# Altium PCB RTU_LMG_PCB2.PcbDoc (continued)
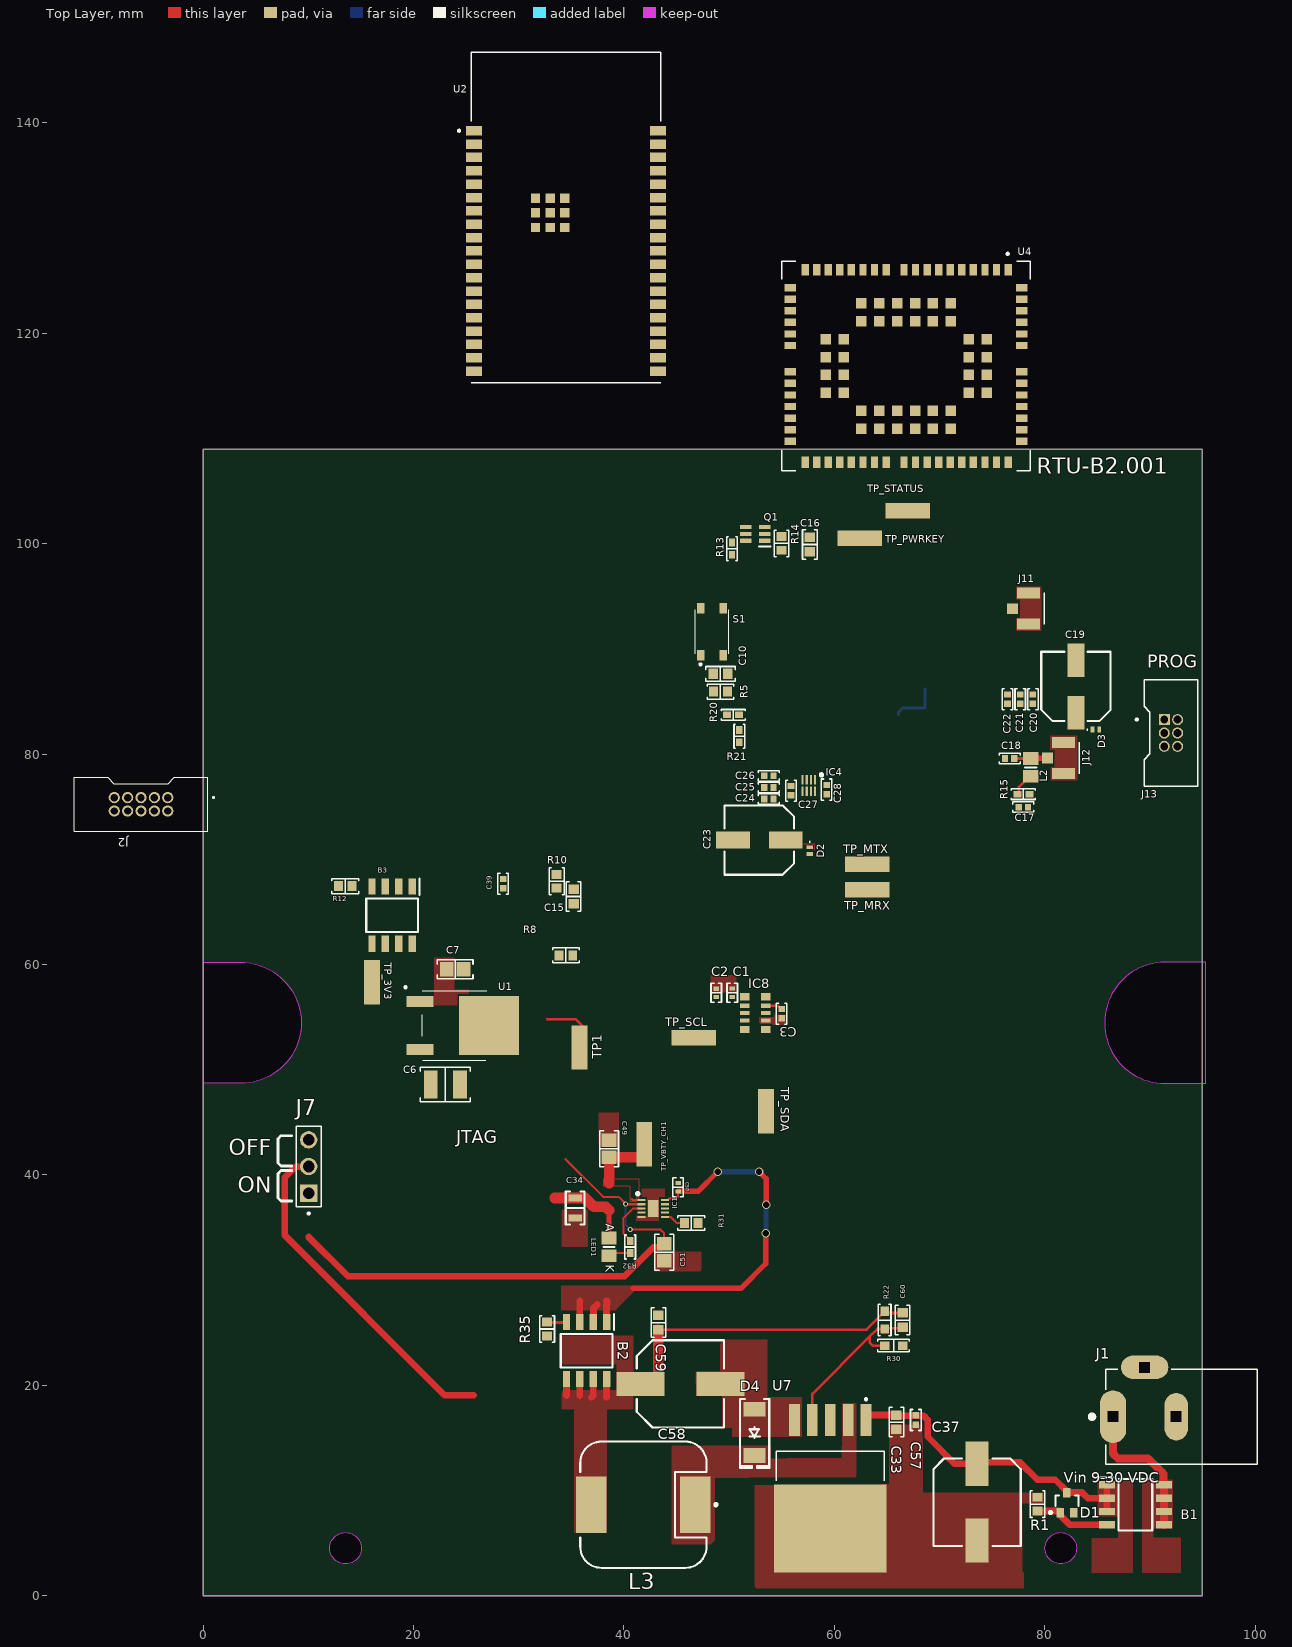
[diagram p0: Top Layer view]
## Part data (continued)
IC4: "Conversor de nivel lógico bidireccional 1.8-3.3 V", Manufacturer_Name="Texas Instruments", Mouser Part Number=595-TXS0102DQMR, Arrow Part Number=TXS0102DQMR, Arrow Price/Stock=https://www.arrow.com/en/products/txs0102dqmr/texas-instruments?region=nac, Datasheet Link=http://www.ti.com/lit/gpn/txs0102, Height=0.4mm, Manufacturer_Part_Number=TXS0102DQMR, Mouser Price/Stock=https://www.mouser.co.uk/ProductDetail/Texas-Instruments/TXS0102DQMR?qs=l3GMcByk76LwJNFmr1RbWA%3D%3D
IC8: "IC RTC CLK/CALENDAR I2C 10SMD", Manufacturer_Name="Epson Timing", Arrow Part Number=RX8130CE, Arrow Price/Stock=https://www.arrow.com/en/products/rx8130ce/epson-electronics-america, Datasheet Link=https://www.mouser.in/Search/DownloadDatasheet?url=https%3A%2F%2Fwww.mouser.in%2Fdatasheet%2F2%2F137%2FRX8130CE_en-1825324.pdf, Height=1mm, Manufacturer_Part_Number=RX8130CE
J1: "2.0 x 6.5 mm, 2.5 A, Horizontal, Through Hole, Kinked Pins, Dc Power Jack Connector", Package=None, Check_prices=https://www.snapeda.com/parts/PJ-202A/Same+Sky/view-part/?ref=eda, MF="Same Sky", MP=PJ-202A, SnapEDA_Link=https://www.snapeda.com/parts/PJ-202A/Same+Sky/view-part/?ref=snap
J2: "Connector Header Through Hole 10 position Shrouded 4 wall 0.050\" (1.27mm)", Manufacturer_Name="CNC Tech", Arrow Part Number=3220-10-0100-00, Arrow Price/Stock=https://www.arrow.com/en/products/3220-10-0100-00/cnc-tech-llc?region=nac, Datasheet Link=https://datasheet.datasheetarchive.com/originals/dk/DKDS-7/133059.pdf, Height=5.6mm, Manufacturer_Part_Number=3220-10-0100-00
J7: "Board to Board connector, Unshrouded vertical header, Through Hole, Single Row, , 3 Positions, 2.54 mm (0.100in) Pitch.", Package=None, Availability="In Stock", Check_prices=https://www.snapeda.com/parts/68001-203HLF/Amphenol+FCI/view-part/?ref=eda, componentlink1description="New link", componentlink1url=https://www.digikey.com/es/products/detail/amphenol-cs-fci/68001-203HLF/2023312, MF="Amphenol ICC", MP=68001-203HLF, Price=None, Purchase-URL=https://pricing.snapeda.com/search?q=68001-203HLF&ref=eda, SnapEDA_Link=https://www.snapeda.com/parts/68001-203HLF/Amphenol+FCI/view-part/?ref=snap
J11 J12: "Conector antena Coaxial PL 50Ohm Solder ST SMD Gold Over Nickel T/R", Package=None, Check_prices=https://www.snapeda.com/parts/1909763-1/TE+Connectivity+AMP+Connectors/view-part/?ref=eda, Digi-Key_Part_Number=A118077TR-ND, MF="TE Connectivity", MP=1909763-1, Purchase-URL=https://pricing.snapeda.com/search/part/1909763-1/?ref=eda, SnapEDA_Link=https://www.snapeda.com/parts/1909763-1/TE+Connectivity+AMP+Connectors/view-part/?ref=snap
J13: "1.27mm (0.05in.) pitch, Shrouded header, 6 contacts", Package=None, Check_prices=https://www.snapeda.com/parts/20021511-00006T4LF/Amphenol+FCI/view-part/?ref=eda, MF="Amphenol ICC (FCI)", MP=20021511-00006T4LF, SnapEDA_Link=https://www.snapeda.com/parts/20021511-00006T4LF/Amphenol+FCI/view-part/?ref=snap
L2: library part MLF2012D47NMT000, "Inductor 47 nH - 300 mA", Manufacturer_Name=TDK, Mouser Part Number=810-MLF2012D47NMT000, Arrow Part Number=MLF2012D47NMT000, Arrow Price/Stock=https://www.arrow.com/en/products/mlf2012d47nmt000/tdk?region=nac, Datasheet Link=https://product.tdk.com/system/files/dam/doc/product/inductor/inductor/smd/catalog/inductor_commercial_standard_mlf2012_en.pdf, Height=1.45mm, Manufacturer_Part_Number=MLF2012D47NMT000, Mouser Price/Stock=https://www.mouser.co.uk/ProductDetail/TDK/MLF2012D47NMT000?qs=%2FPzWLGNeQ%252Bjd2VhSyOvXoA%3D%3D
L3: library part 7447709330, "FIXED IND 33UH 4.2A 45 MOHM SMD", Current - Saturation=5.5A, Current Rating (Amps)="4.2 A", DC Resistance (DCR)="45mOhm Max", Device Package=Nonstandard, Frequency - Self Resonant=8.5MHz, Inductance Frequency - Test="1 kHz", manufacturer="Würth Elektronik", Operating Temperature="-40°C ~ 125°C", Ratings=AEC-Q200, Supplier Device Package=1212, Supplier Part Number 1=732-1244-1-ND, Tolerance=±20%, componentlink1description=Datasheet, componentlink1url=https://katalog.we-online.de/pbs/datasheet/7447709330.pdf, componentlink2description="DigiKey Link", componentlink2url=https://www.digikey.com/en/products/detail/würth-elektronik/7447709330/1638649, Height - Seated (Max)="0.394\" (10.00mm)", Inductance="33 µH", lastupdated="3/6/2024 20:26:17", Lifecycle Status=Active, Material - Core=Ferrite, Minimum Order=1, Mounting Type="Surface Mount", Package / Case=Nonstandard, packaging=TapeAndReel, Part Number=7447709330, Part Status=Active, partid=5692, Price=1.48, series=WE-PD, Shielding=Shielded, Size / Dimension="0.472\" L x 0.472\" W (12.00mm x 12.00mm)", Supplier 1=DigiKey, Type="Drum Core, Wirewound"
LED1: "LED verde SMD (0805)", Mfr_Name=Wolfspeed, Copyright="Copyright (C) 2023 Ultra Librarian. All rights reserved.", Manufacturer_Part_Number=LTST-C170GKT, RefDes=RefDes, Type=DEV
Q1: "Array 2 MOSFET (N-Channel)", Manufacturer_Name="ROHM Semiconductor", Mouser Part Number=755-UM6K34NTCN, Datasheet Link=https://datasheet.datasheetarchive.com/originals/distributors/DKDS-18/357292.pdf, Height=1mm, Manufacturer_Part_Number=UM6K34NTCN, Mouser Price/Stock=https://www.mouser.co.uk/ProductDetail/ROHM-Semiconductor/UM6K34NTCN?qs=npTsUczJOtMIn9jsho046Q%3D%3D
R1 R12 R35: library part RNCS0603BKE100K, "RES 100K OHM 0.1% 1/16W 0603", Device Package="0603 (1608 Metric)", manufacturer="Stackpole Electronics Inc", Operating Temperature="-55°C ~ 155°C", Power (Watts)="0.063W, 1/16W", Ratings=AEC-Q200, Supplier Device Package=0603, Supplier Part Number 1=RNCS0603BKE100KCT-ND, Temperature Coefficient=±25ppm/°C, Tolerance=±0.1%, componentlink1description=Datasheet, componentlink1url=https://www.seielect.com/catalog/sei-rncs_rnch.pdf, componentlink2description="DigiKey Link", componentlink2url=https://www.digikey.com/en/products/detail/stackpole-electronics-inc/RNCS0603BKE100K/1708835, Composition="Thin Film", Features="Anti-Corrosive, Automotive AEC-Q200, Moisture Resistant", Height - Seated (Max)="0.022\" (0.55mm)", lastupdated="9/2/2024 20:43:37", Lifecycle Status=Active, Minimum Order=1, Number of Terminations=2, Package / Case="0603 (1608 Metric)", packaging=TapeAndReel, Part Number=RNCS0603BKE100K, Part Status=Active, partid=4849, Price=0.06, Resistance="100 kOhms", series=RNCS, Size / Dimension="0.061\" L x 0.031\" W (1.55mm x 0.80mm)", Supplier 1=DigiKey
R3: library part CRGH0603F3K3, "CRGH0603 1% 3K3 0.2W", Device Package="0603 (1608 Metric)", manufacturer="TE Connectivity Passive Product", Operating Temperature="-55°C ~ 155°C", Power (Watts)="0.2W, 1/5W", Supplier Device Package=0603, Supplier Part Number 1=A129543CT-ND, Temperature Coefficient=±100ppm/°C, Tolerance=±1%, componentlink1description=Datasheet, componentlink1url=https://www.te.com/commerce/DocumentDelivery/DDEController?Action=srchrtrv&DocNm=1773204-1&DocType=DS&DocLang=English, componentlink2description="DigiKey Link", componentlink2url=https://www.digikey.com/en/products/detail/te-connectivity-passive-product/CRGH0603F3K3/7495057, Composition="Thick Film", Height - Seated (Max)="0.022\" (0.55mm)", lastupdated="10/31/2023 7:35:24 PM", Lifecycle Status=Active, Minimum Order=1, Number of Terminations=2, Package / Case="0603 (1608 Metric)", packaging=TapeAndReel, partid=5686, Part Number=CRGH0603F3K3, Part Status=Active, Price=0.01, Resistance="3.3 kOhms", series="CRGH, Neohm", Size / Dimension="0.063\" L x 0.031\" W (1.60mm x 0.80mm)", Supplier 1=DigiKey
R4: library part CRGP0603F6K8, "RES 6.8K OHM 1% 1/4W 0603", Device Package="0603 (1608 Metric)", manufacturer="TE Connectivity Passive Product", Operating Temperature="-55°C ~ 155°C", Power (Watts)="0.25W, 1/4W", Supplier Device Package=0603, Supplier Part Number 1=A130426CT-ND, Temperature Coefficient=±100ppm/°C, Tolerance=±1%, componentlink1description=Datasheet, componentlink1url=https://www.te.com/commerce/DocumentDelivery/DDEController?Action=srchrtrv&DocNm=9-1773463-9&DocType=DS&DocLang=English, componentlink2description="DigiKey Link", componentlink2url=https://www.digikey.com/en/products/detail/te-connectivity-passive-product/CRGP0603F6K8/8577028, Composition="Thick Film", Features="Pulse Withstanding", Height - Seated (Max)="0.022\" (0.55mm)", lastupdated="10/31/2023 7:34:31 PM", Lifecycle Status=Active, Minimum Order=1, Number of Terminations=2, Package / Case="0603 (1608 Metric)", packaging=TapeAndReel, partid=20908, Part Number=CRGP0603F6K8, Part Status=Active, Price=0.01, Resistance="6.8 kOhms", series=CRGP, Size / Dimension="0.063\" L x 0.031\" W (1.60mm x 0.80mm)", Supplier 1=DigiKey
R5 R7 R8 R10 R14 R31: library part RC0603FR-0710KL, "RES 10K OHM 1% 1/10W 0603", Device Package="0603 (1608 Metric)", manufacturer=Yageo, Operating Temperature="-55°C ~ 155°C", Power (Watts)="0.1W, 1/10W", Supplier Device Package=0603, Supplier Part Number 1=311-10.0KHRCT-ND, Temperature Coefficient=±100ppm/°C, Tolerance=±1%, componentlink1description=Datasheet, componentlink1url=https://www.yageo.com/upload/media/product/productsearch/datasheet/rchip/PYu-RC_Group_51_RoHS_L_10.pdf, componentlink2description="DigiKey Link", componentlink2url=https://www.digikey.com/en/products/detail/yageo/RC0603FR-0710KL/726880, Composition="Thick Film", Features="Moisture Resistant", Height - Seated (Max)="0.022\" (0.55mm)", lastupdated="10/30/2023 7:36:43 PM", Lifecycle Status=Active, Minimum Order=1, Number of Terminations=2, Package / Case="0603 (1608 Metric)", packaging=CutTape, partid=22599, Part Number=RC0603FR-0710KL, Part Status=Active, Price=0.01, Resistance="10 kOhms", series=RC_L, Size / Dimension="0.063\" L x 0.031\" W (1.60mm x 0.80mm)", Supplier 1=DigiKey
R13 R20: library part CRCW0402100KFKED, "RES SMD 100K OHM 1% 1/16W 0402", Device Package="0402 (1005 Metric)", manufacturer="Vishay Dale", Operating Temperature="-55°C ~ 155°C", Power (Watts)="0.063W, 1/16W", Ratings=AEC-Q200, Supplier Device Package=0402, Supplier Part Number 1=541-100KLCT-ND, Temperature Coefficient=±100ppm/°C, Tolerance=±1%, componentlink1description=Datasheet, componentlink1url=http://www.vishay.com/docs/20035/dcrcwe3.pdf, componentlink2description="DigiKey Link", componentlink2url=https://www.digikey.com/en/products/detail/vishay-dale/CRCW0402100KFKED/1178235, Composition="Thick Film", Features="Automotive AEC-Q200", Height - Seated (Max)="0.016\" (0.40mm)", lastupdated="11/1/2023 7:27:47 PM", Lifecycle Status=Active, Minimum Order=1, Number of Terminations=2, Package / Case="0402 (1005 Metric)", packaging=CutTape, partid=11959, Part Number=CRCW0402100KFKED, Part Status=Active, Price=0.01, Resistance="100 kOhms", series=CRCW, Size / Dimension="0.039\" L x 0.020\" W (1.00mm x 0.50mm)", Supplier 1=DigiKey
R15: library part CRCW040210R0FKEDC, "RES 10 OHM 1% 1/16W 0402", Device Package="0402 (1005 Metric)", manufacturer="Vishay Dale", Operating Temperature="-55°C ~ 155°C", Power (Watts)="0.063W, 1/16W", Supplier Device Package=0402, Supplier Part Number 1=541-3964-1-ND, Temperature Coefficient=±100ppm/°C, Tolerance=±1%, componentlink1description=Datasheet, componentlink1url=http://www.vishay.com/docs/28773/crcwce3.pdf, componentlink2description="DigiKey Link", componentlink2url=https://www.digikey.com/en/products/detail/vishay-dale/CRCW040210R0FKEDC/7928386, Composition="Thick Film", Height - Seated (Max)="0.014\" (0.35mm)", lastupdated="11/1/2023 7:27:45 PM", Lifecycle Status=Active, Minimum Order=1, Number of Terminations=2, Package / Case="0402 (1005 Metric)", packaging=CutTape, partid=12688, Part Number=CRCW040210R0FKEDC, Part Status=Active, Price=0.01, Resistance="10 Ohms", series=CRCW-C, Size / Dimension="0.039\" L x 0.020\" W (1.00mm x 0.50mm)", Supplier 1=DigiKey
R21: library part RMCF0402FT120K, "RES 120K OHM 1% 1/16W 0402", Device Package="0402 (1005 Metric)", manufacturer="Stackpole Electronics Inc", Operating Temperature="-55°C ~ 155°C", Power (Watts)="0.063W, 1/16W", Ratings=AEC-Q200, Supplier Device Package=0402, Supplier Part Number 1=RMCF0402FT120KCT-ND, Temperature Coefficient=±100ppm/°C, Tolerance=±1%, componentlink1description=Datasheet, componentlink1url=https://www.seielect.com/catalog/sei-rmcf_rmcp.pdf, componentlink2description="DigiKey Link", componentlink2url=https://www.digikey.com/en/products/detail/stackpole-electronics-inc/RMCF0402FT120K/1761420, Composition="Thick Film", Features="Automotive AEC-Q200", Height - Seated (Max)="0.016\" (0.40mm)", lastupdated="11/1/2023 7:28:14 PM", Lifecycle Status=Active, Minimum Order=1, Number of Terminations=2, Package / Case="0402 (1005 Metric)", packaging=CutTape, partid=5008, Part Number=RMCF0402FT120K, Part Status=Active, Price=0.01, Resistance="120 kOhms", series=RMCF, Size / Dimension="0.039\" L x 0.020\" W (1.00mm x 0.50mm)", Supplier 1=DigiKey
R22: library part RT0603FRE074K7L, "RES SMD 4.7K OHM 1% 1/10W 0603", Device Package="0603 (1608 Metric)", manufacturer=Yageo, Operating Temperature="-55°C ~ 155°C", Power (Watts)="0.1W, 1/10W", Supplier Device Package=0603, Supplier Part Number 1=YAG1238CT-ND, Temperature Coefficient=±50ppm/°C, Tolerance=±1%, componentlink1description=Datasheet, componentlink1url=https://www.yageo.com/upload/media/product/productsearch/datasheet/rchip/PYu-RT_1-to-0.01_RoHS_L_11.pdf, componentlink2description="DigiKey Link", componentlink2url=https://www.digikey.com/en/products/detail/yageo/RT0603FRE074K7L/1075404, Composition="Thin Film", Height - Seated (Max)="0.022\" (0.55mm)", lastupdated="25/7/2024 09:19:32", Lifecycle Status=Active, Minimum Order=1, Number of Terminations=2, Package / Case="0603 (1608 Metric)", packaging=TapeAndReel, Part Number=RT0603FRE074K7L, Part Status=Active, partid=5678, Price=0.01, Resistance="4.7 kOhms", series=RT, Size / Dimension="0.063\" L x 0.031\" W (1.60mm x 0.80mm)", Supplier 1=DigiKey
R30: library part RT0603FRE071K2L, "RES SMD 1.2K OHM 1% 1/10W 0603", Device Package="0603 (1608 Metric)", manufacturer=Yageo, Operating Temperature="-55°C ~ 155°C", Power (Watts)="0.1W, 1/10W", Supplier Device Package=0603, Supplier Part Number 1=YAG5943CT-ND, Temperature Coefficient=±50ppm/°C, Tolerance=±1%, componentlink1description=Datasheet, componentlink1url=https://www.yageo.com/upload/media/product/productsearch/datasheet/rchip/PYu-RT_1-to-0.01_RoHS_L_11.pdf, componentlink2description="DigiKey Link", componentlink2url=https://www.digikey.com/en/products/detail/yageo/RT0603FRE071K2L/1075167, Composition="Thin Film", Height - Seated (Max)="0.022\" (0.55mm)", lastupdated="25/7/2024 09:19:32", Lifecycle Status=Active, Minimum Order=1, Number of Terminations=2, Package / Case="0603 (1608 Metric)", packaging=TapeAndReel, Part Number=RT0603FRE071K2L, Part Status=Active, partid=5172, Price=0.01, Resistance="1.2 kOhms", series=RT, Size / Dimension="0.063\" L x 0.031\" W (1.60mm x 0.80mm)", Supplier 1=DigiKey
R32: library part ERJ-2RKF2201X, "RES SMD 2.2K OHM 1% 1/10W 0402", Device Package="0402 (1005 Metric)", manufacturer="Panasonic Electronic Components", Operating Temperature="-55°C ~ 155°C", Power (Watts)="0.1W, 1/10W", Ratings=AEC-Q200, Supplier Device Package=0402, Supplier Part Number 1=P2.20KLCT-ND, Temperature Coefficient=±100ppm/°C, Tolerance=±1%, componentlink1description=Datasheet, componentlink1url=https://industrial.panasonic.com/cdbs/www-data/pdf/RDA0000/AOA0000C304.pdf, componentlink2description="DigiKey Link", componentlink2url=https://www.digikey.com/en/products/detail/panasonic-electronic-components/ERJ-2RKF2201X/1746150, Composition="Thick Film", Features="Automotive AEC-Q200", Height - Seated (Max)="0.016\" (0.40mm)", lastupdated="10/30/2023 7:25:42 PM", Lifecycle Status=Active, Minimum Order=1, Number of Terminations=2, Package / Case="0402 (1005 Metric)", packaging=CutTape, Part Number=ERJ-2RKF2201X, Part Status=Active, partid=19620, Price=0.01, Resistance="2.2 kOhms", series=ERJ-2RK, Size / Dimension="0.039\" L x 0.020\" W (1.00mm x 0.50mm)", Supplier 1=DigiKey
S1: "Switch", Arrow Part Number="PTS815 SJK 250 SMTR LFS", Manufacturer_Name="C & K COMPONENTS", Mouser Part Number=611-PTS815SJK250SMTR, Arrow Price/Stock=https://www.arrow.com/en/products/pts815-sjk-250-smtr-lfs/ck, Datasheet Link=https://www.mouser.com/datasheet/2/60/pts815-1535658.pdf, Height=2mm, Manufacturer_Part_Number="PTS815 SJK 250 SMTR LFS", Mouser Price/Stock=https://www.mouser.co.uk/ProductDetail/CK/PTS815-SJK-250-SMTR-LFS?qs=ahcBuItHZ3yETpGYMHf%2FgQ%3D%3D
TP1 TP_3V3 TP_3V8 TP_MRX TP_MTX TP_PWRKEY TP_SCL TP_SDA TP_STATUS TP_VBTY_CH1: "- PC Test Point - - Plating Surface Mount Mounting Type", Package=None, Check_prices=https://www.snapeda.com/parts/RCWCTE/KOA+Speer/view-part/?ref=eda, Digi-Key_Part_Number=2019-RCWCTETR-ND, MF="KOA Speer", MP=RCWCTE, Purchase-URL=https://pricing.snapeda.com/search/part/RCWCTE/?ref=eda, SnapEDA_Link=https://www.snapeda.com/parts/RCWCTE/KOA+Speer/view-part/?ref=snap
U1: "Fuente regulada LDO - 3V3 - 5A", Mfr_Name="Diodes Inc", Copyright="Copyright (C) 2023 Ultra Librarian. All rights reserved.", Manufacturer_Part_Number=AZ1084CD-3.3TRG1, RefDes=RefDes, Type=DEV
U2: "Bluetooth, WiFi 802.11b/g/n, Bluetooth v4.2 +EDR Transceiver Module 2.4GHz ~ 2.5GHz PCB Trace Surface Mount"
U3: "Remote 8-Bit I2C Low-Power I/O Expander With Interrupt Output and Configuration Registers 16-TSSOP -40 to 85", Package=None, Availability=Unavailable, MP=TCA9534PWR, Price=None
U4: "Quectel BG95 Series LTE Cat M1/ Cat NB2/ EGPRS Module", Package="Non-Standard Quectel", Check_prices=https://www.snapeda.com/parts/BG95M3LA-64-SGNS/Quectel/view-part/?ref=eda, Digi-Key_Part_Number=2958-BG95M3LA-64-SGNSCT-ND, MF="Quectel Wireless Solutions Co., Ltd", MP=BG95M3LA-64-SGNS, Purchase-URL=https://pricing.snapeda.com/search/part/BG95M3LA-64-SGNS/?ref=eda, SnapEDA_Link=https://www.snapeda.com/parts/BG95M3LA-64-SGNS/Quectel/view-part/?ref=snap
U7: "LM2596DSADJG Switching Regulator 3A Adjustable, 1.23 to 37 V, 5-Pin D2PAK", Package="D2PAK-5 ON Semiconductor", Check_prices=https://www.snapeda.com/parts/LM2596DSADJG/Onsemi/view-part/?ref=eda, componentlink1description=https://www.digikey.com/en/products/detail/taejin/LM2596R-5-0/22237253, MF="ON Semiconductor", MP=LM2596DSADJG, SnapEDA_Link=https://www.snapeda.com/parts/LM2596DSADJG/Onsemi/view-part/?ref=snap

## Via types
v1: diameter 0.8, hole 0.6, Top Layer to Bottom Layer, 4 vias
v2: diameter 0.483, hole 0.254, Top Layer to Bottom Layer, 2 vias

## Nets (pads, with @x,y where several pads share a name; then routed paths per layer and width w, separated by ;. In a path a pad name is that pad's centre, name@x,y a point inside that pad or via, vN(x,y) a via of type N, cw(c..) or ccw(c..) an arc to the next point about the centre after c; other vN are vias at no path point)
3V3: B3.5 B3.6 B3.7 B3.8 C7.2 C17.2 C28.2 IC4.8 R13.2 R15.2 TP_3V3.1 U1.2
3V3_ESP32: B3.1 B3.2 B3.3 C11.2 C12.2 C13.2 C14.2 J13.2 R5.2 R7.2 R8.2 R10.2 U2.2 U3.16
3V3_RTC: C1.1 C2.1 IC8.1 IC8.8 IC8.10 TP1.1 | length 5.7
  Top Layer w0.256: 32.716,54.8 35.383,54.8 36.005,54.178 36.005,52.339 TP1.1
3V8: C9.2 C19.1 C20.2 C21.1 C22.1 C23.1 C24.2 C25.1 C26.1 D2.1 D3.1 IC3.2 R3.2 TP_3V8.1 U4.32 U4.33 U4.52 U4.53
\C\E\: IC1.4 U2.24
\I\N\T\: IC1.9 U2.26
\P\G\: IC1.3 R32.1 | length 4.6
  Top Layer w0.2: R32.1 40.588,33.785 39.943,34.429 39.943,35.876 40.869,36.803 IC1.3
ANT_GNSS: C18.1 U4.49
ANT_MAIN: J11.1 U4.60
COMP: 
DTR: R20.1 R21.2 U4.30
EN: C15.2 J13.1 R10.1 U2.3
FBB: 
FBk: C60.1 R22.1 R30.2 U7.4 | length 15.8
  Top Layer w0.254: U7.4 57.908,19.165 63.361,24.619 ; R30.2 63.647,23.758 63.361,24.044 63.361,24.619 ; C60.1 66.364,25.396 64.839,25.396 R22.1 64.081,25.339 63.361,24.619
GND: C1.2 C2.2 C3.2 C6.2 C7.1 C8.2 C9.1 C10.1 C11.1 C12.1 C13.1 C14.1 C15.1 C16.1 C17.1 C19.2 C20.1 C21.2 C22.2 C23.2 C24.1 C25.2 C26.2 C27.1 C28.1 C33.1 C34.1 C37.2 C39.1 C49.2 C50.1 C51.1 C57.1 C58.2 C59.1 D2.2 D3.2 D4.1 IC1.5 IC1.11 IC4.4 IC8.7 J1.2 J1.3 J2.3 J2.5 J2.7 J2.9 J11.2 J11.3 J12.2 J12.3 J13.4 Q1.1 Q1.4 R1.1 R4.1 R12.1 R14.2 R21.1 R30.1 R31.1 R35.2 S1.4 U1.1 U2.1 U2.4 U2.5 U2.9 U2.10 U2.15 U2.27 U2.28 U2.30 U2.32 U2.38 U2.39_1 U2.39_2 U2.39_3 U2.39_4 U2.39_5 U2.39_6 U2.39_7 U2.39_8 U2.39_9 U3.1 U3.2 U3.3 U3.8 U4.3 U4.8 U4.9 U4.10 U4.31 U4.48 U4.50 U4.54 U4.55 U4.58 U4.59 U4.61 U4.62 U4.67 U4.68 U4.69 U4.70 U4.71 U4.72 U4.73 U4.74 U4.79 U4.80 U4.81 U4.82 U4.89 U4.90 U4.91 U4.100 U4.101 U4.102 U7.3 U7.5 U7.6
GPIO0: J13.6 U2.25
GPIO5: C10.2 R5.1 S1.1 U2.29
GREEN_LED: U3.4
MBAT: U2.7
MODEM_DTR: R20.2 U3.12
MODEM_PWRKEY: Q1.2 R14.1 U3.11
MODEM_RX: IC4.6 TP_MRX.1 U2.11
MODEM_STATUS: Q1.3 R13.1 TP_STATUS.1 U3.10
MODEM_TX: IC4.7 TP_MTX.1 U2.12
NetB1_4: B1.4 D1.1 R1.2 | length 7.5
  Top Layer w0.635: R1.2 81.41,8.04 81.46,7.99 D1.1@81.46,7.79 ; D1.1 81.493,7.857 81.493,7.611 82.387,6.716 B1.4
NetB1_5: B1.5 B1.6 B1.7 B1.8 J1.1 | length 13.8
  Top Layer w0.762: J1.1@86.5,16.869 86.5,13.491 86.946,13.044 89.831,13.044 91.303,11.573 91.303,10.557 B1.8 B1.7 B1.6 B1.5
NetB2_4: B2.4 R35.1 | length 1.9
  Top Layer w0.254: R35.1 32.734,25.951 34.493,25.951 B2.4
NetB2_5: B2.5 B2.6 B2.7 B2.8 C58.1 C59.2 C60.2 L3.2 R22.2 | length 37.2
  Top Layer w0.254: C59.2 63.069,25.276 64.782,26.989 R22.2 64.957,26.864 C60.2
  Top Layer w0.635: B2.5 B2.5@34.534,20.536 ; 34.567,19.012 34.534,19.045 B2.5@34.534,20.536 ; B2.5@34.567,20.568 B2.5@34.534,20.536 ; 35.804,19.012 B2.6 ; 36.896,18.834 37.074,19.012 B2.7 ; 38.344,18.834 B2.8
  Top Layer w1: C58.1 42.629,20.12 43.279,20.77 C59.2
NetB3_4: B3.4 R12.2 | length 0.1
  Top Layer w0.508: R12.2 14.179,67.413 R12.2@14.204,67.413 ; B3.4@16.02,67.413 B3.4
NetBT1_POS: J7.02 | length 32.4
  Top Layer w0.635: J7.02@10.004,40.766 8.782,40.766 7.735,39.72 7.735,34.259 22.949,19.045 25.696,19.045
NetC18_2: C18.2 J12.1 L2.1 | length 3.2
  Top Layer w0.305: C18.2 L2.1
  Top Layer w0.508: L2.1 78.695,79.599 80.22,79.599 J12.1
NetC45_2: 
NetC64_2: 
NetC65_2: 
NetC70_2: 
NetD4_2: D4.2 L3.1 U7.2
NetD7_1: 
NetD8_1: 
NetIC3_1: IC3.1 R3.1 R4.2 | length 4.7
  Bottom Layer w0.305: IC3.1 66.102,83.997 66.479,84.375 R4.2 R3.1
NetL2_2: L2.2 R15.1 | length 2.3
  Top Layer w0.254: R15.1 77.537,76.326 77.537,76.866 78.545,77.874 L2.2
NetLED1_K: LED1.K R32.2 | length 2.1
  Top Layer w0.2: LED1.K 38.852,32.56 R32.2
NetR17_1: 
NetR18_1: 
NetR19_1: 
NetR37_2: 
NetR39_2: 
NetU4_11: U4.11 U4.12 U4.13 U4.14 U4.16 U4.51 U4.56 U4.57 U4.63 U4.76 U4.77 U4.78 U4.92 U4.93 U4.94 U4.95 U4.97 U4.98 U4.99
OUTBOOST: C6.1 C8.1 IC3.3 U1.3
PWRKEY: C16.2 Q1.6 TP_PWRKEY.1 U4.15
RED_LED: U3.9
RTC_VO: C3.1 IC8.9 | length 1.6
  Top Layer w0.254: IC8.9 54.659,56.067 54.969,55.757 C3.1
Rx: IC4.3 U4.34
SCL: IC1.8 IC8.2 R8.1 TP_SCL.1 U2.8 U3.14
SDA: IC1.7 IC8.3 R7.1 TP_SDA.1 U2.37 U3.15
STATUS: Q1.5 U4.20
SW: 
TCK: J2.4 U2.16
TDI: J2.8 U2.14
TDO: J2.6 U2.23
TMS: J2.2 U2.13
TS: IC1.6 R31.2 | length 2.1
  Top Layer w0.2: IC1.6 44.426,36.003 44.8,35.629 45.022,35.407 R31.2
Tx: IC4.2 U4.35
UART0_RX: J13.5 U2.34
UART0_TX: J13.3 U2.35
USIM_CLK: U4.46
USIM_DATA: U4.45
USIM_GND: U4.47
USIM_RST: U4.44
USIM_VDD: U4.43
VBat: C51.2 IC1.2 J7.01 | length 52.9
  Top Layer w0.2: 34.428,41.499 38.031,37.896 39.488,37.896 v2(40.159,37.225) 40.182,37.203 IC1.2 ; v2(40.593,34.802) 43.463,34.802 43.822,34.444 43.822,33.447 C51.2
  Top Layer w0.6: C51.2 C51.2@44.002,33.607
  Top Layer w0.635: 10.022,34.086 13.754,30.355 40.052,30.355 42.801,33.104 43.479,33.104 C51.2@43.822,33.447
  Bottom Layer w0.2: v2(40.159,37.225) 40.159,35.236 v2(40.593,34.802)
VCCint: 
VDD_EXT: C27.2 IC4.1 IC4.5 U4.29
Vin: 
VIN_BTY_CH: B2.1 B2.2 B2.3 C50.2 IC1.10 | length 38.6
  Top Layer w0.203: IC1.10@44.154,37.604 44.298,37.748 44.974,37.748 45.021,37.795 45.029,37.795 45.148,37.914 C50.2
  Top Layer w0.508: 40.884,29.207 51.129,29.207 53.478,31.556 v1(53.478,34.444) ; C50.2 47.038,38.419 v1(48.91,40.291) ; v1(52.84,40.295) 53.527,39.607 v1(53.527,37.15)
  Top Layer w0.635: B2.3 35.804,27.992 ; B2.2 37.107,26.025 37.107,27.323 37.457,27.673 ; B2.1 38.344,27.641 38.376,27.673 38.376,27.992 38.344,28.024
  Bottom Layer w0.508: v1(48.91,40.291) 48.914,40.295 v1(52.84,40.295) ; v1(53.478,34.444) 53.503,34.468 53.503,37.126 v1(53.527,37.15)
VinEXT: B1.1 B1.2 B1.3 C33.2 C37.1 C57.2 D1.2 U7.1 | length 30.2
  Top Layer w0.635: U7.1 63.014,16.965 63.204,17.156 C33.2 65.956,17.102 67.741,17.102 68.463,17.102 68.88,16.685 68.88,15.091 71.451,12.52 C37.1 73.713,12.663 77.647,12.663 79.307,11.002 80.998,11.002 82.11,9.89 D1.2 83.553,9.79 84.087,9.256 B1.2 ; B1.3 B1.2 ; B1.1 B1.2
VOUT_BTY_CH: C34.2 C49.1 IC1.1 LED1.A TP_VBTY_CH1.1 | length 16.2
  Top Layer w0.203: 40.72,37.7 40.817,37.603 IC1.1
  Top Layer w0.508: LED1.A 38.577,36.639
  Top Layer w1: 33.404,37.792 36.296,37.792 37.15,36.938 38.278,36.938 38.577,36.639 ; C49.1 41.669,41.668 41.919,41.918 TP_VBTY_CH1.1 ; 38.576,39.18 C49.1@38.576,41.667
VOUTOK: C39.2 U2.6
pads on no net: D1.3 IC8.4 IC8.5 IC8.6 J2.1 J2.10 J7.03 S1.2 S1.3 U2.17 U2.18 U2.19 U2.20 U2.21 U2.22 U2.31 U2.33 U2.36 U3.5 U3.6 U3.7 U3.13 U4.1 U4.2 U4.4 U4.5 U4.6 U4.7 U4.17 U4.18 U4.19 U4.21 U4.22 U4.23 U4.24 U4.25 U4.26 U4.27 U4.28 U4.36 U4.37 U4.38 U4.39 U4.40 U4.41 U4.42 U4.64 U4.65 U4.66 U4.75 U4.83 U4.84 U4.85 U4.86 U4.87 U4.88 U4.96

## Polygon pours and split planes (outlines as drawn)
no net on Top Layer "Top Layer-No Net 1" (solid, pour order 40): 57.07,71.465 58.07,71.465 58.07,70.9
GND on Top Layer "Top Layer-GND 6" (solid, pour order 16): 23.848,60.612 23.848,57.612 25.248,57.612 25.248,56.112 21.952,56.112 21.952,60.612
GND on Top Layer "GND_L01_P163" (solid, remove dead copper, pour order 163): 41.143,36.194 42.215,36.194 42.215,37.922 41.711,37.922 41.711,38.663 43.881,38.663 43.881,37.922 43.287,37.922 43.287,35.625 41.143,35.625
no net on Top Layer "NONET_L01_P167" (solid, remove dead copper, pour order 167): 38.085,39.607 41.409,39.607 41.409,37.792 41.143,37.792 41.143,37.449 40.588,37.449 40.588,38.839 40.531,38.895 38.085,38.895
VinEXT on Top Layer "VINEXT_L01_P143" (solid, remove dead copper, pour order 143): 85.188,10.859 85.208,10.878 88.387,10.878 88.387,2.146 84.476,2.146 84.476,5.456 87,5.456 87,7.378 86.836,7.542 85.031,7.542 85.031,10.937 85.07,10.898 87.523,10.898
NetB1_5 on Top Layer "NETB1_5_L01_P144" (solid, remove dead copper, pour order 144): 90.325,6.417 92.148,6.417 92.148,11.002 92.135,11.016 89.27,11.016 89.27,10.868 89.27,10.741 89.27,2.185 92.937,2.185 92.937,5.509 90.325,5.509
GND on Top Layer "Top Layer-GND 15" (solid, pour order 50): 80.57,78.724 80.97,78.724 80.97,80.424 80.51,80.424 80.51,81.724 83.07,81.724 83.07,77.524 80.57,77.524
GND on Top Layer "GND_L01_P130" (solid, pour order 130): 50.691,58.992 50.692,58.992 50.692,57.351 48.256,57.351 48.256,58.992
NetD4_2 on Top Layer "NETD4_2_L01_P139" (solid, remove dead copper, pour order 139): 51.866,11.212 51.844,11.189 48.613,11.189 48.613,5.255 48.231,4.873 44.627,4.873 44.566,4.812 44.536,4.843 44.536,14.251 50.204,14.251 53.844,14.251 53.966,14.129 53.966,12.998 55.435,12.998 55.481,13.044 60.725,13.044 60.725,14.236 60.74,14.251 60.74,18.253 60.71,18.283 60.725,18.344 60.77,18.298 62.069,18.298 62.069,11.334 61.946,11.212
VIN_BTY_CH on Top Layer "VIN_BTY_CH_L01_P171" (solid, remove dead copper, pour order 171): 40.987,29.372 40.899,29.46 34.014,29.46 34.014,27.147 33.979,27.112 39.252,27.112 39.252,27.229 41.143,29.12 40.969,29.294 40.969,29.477
NetB2_5 on Top Layer "NETB2_5_L01_P170" (solid, remove dead copper, pour order 170): 35.362,17.703 35.249,17.591 35.249,5.985 38.318,5.985 38.376,6.043 38.376,17.703 40.869,17.703 40.869,24.691 34.182,24.691 34.093,24.601 34.093,22.01 39.308,22.01 39.308,19.503 34.22,19.503 34.093,19.376 34.093,17.703
GND on Top Layer "GND_L01_P164" (solid, remove dead copper, pour order 164): 37.551,42.677 37.598,42.724 39.488,42.724 39.488,45.088 39.488,45.489 39.488,45.887 37.621,45.887 37.621,42.938 37.834,42.724 39.488,42.724
GND on Top Layer "GND_L01_P162" (solid, remove dead copper, pour order 162): 43.179,32.637 43.235,32.692 47.328,32.692 47.328,30.906 47.241,30.818 42.896,30.818 42.896,32.429 43.104,32.637
GND on Top Layer "Top Layer-GND 12" (solid, pour order 58): 77.27,94.695 77.27,95.925 79.67,95.925 79.67,91.725 77.27,91.725 77.27,92.925 77.67,92.925 77.67,94.695
GND on Top Layer "GND_L01_P131" (solid, pour order 131): 52.839,54.241 55.405,54.241 55.405,55.231 54.264,55.231 54.264,54.964 52.84,54.964
GND on Top Layer "GND_L01_P140" (solid, remove dead copper, pour order 140): 46.854,19.014 49.342,19.014 49.342,15.988 49.524,15.962 50.309,15.962 50.309,15.091 56.906,15.091 56.906,18.834 53.638,18.834 53.638,24.293 49.524,24.293 49.16,23.929 49.16,21.302 46.806,21.303
GND on Top Layer "GND_L01_P141" (solid, pour order 141): 77.861,2.308 77.987,2.182 77.987,0.704 52.595,0.704 52.416,0.883 52.416,10.476 54.44,10.476 54.401,10.437 54.401,2.274 64.515,2.274 64.573,2.216 64.573,10.586 65.24,10.586 65.24,16.245 68.386,16.237 68.422,16.217 68.422,9.79 80.025,9.79 80.025,8.759 77.799,8.759 77.799,8.235 77.861,8.174
GND on Top Layer "GND_L01_P151" (solid, remove dead copper, pour order 151): 34.093,36.685 36.544,36.685 36.544,33.135 34.093,33.135

## Keep-outs
Keep-Out Layer:
  the board outline again, w0.05

## Other copper
Bottom Layer:
  pour cut-out: -0.406,47.639 -0.406,61.254 4.096,61.254 cw(c3.663,54.987) 9.931,54.554 cw(c3.561,54.009) 4.096,47.639
  pour cut-out: 95.33,47.638 95.33,61.253 90.828,61.253 ccw(c91.26,54.986) 84.993,54.554 ccw(c91.362,54.008) 90.828,47.638
  pour cut-out: 95.227,47.619 95.227,61.234 90.725,61.234 ccw(c91.157,54.967) 84.89,54.534 ccw(c91.259,53.989) 90.725,47.619

## Silkscreen, mask and mechanical layers (free items; w line width, h text height)
Top Overlay:
  lines w0.254: 8.399,40.4 7.408,40.4 7.106,40.097 7.106,37.807 7.398,37.515 8.401,37.515 ; 8.399,43.714 7.408,43.714 7.106,43.411 7.106,41.121 7.398,40.828 8.401,40.828
  text "RTU-B2.001" at 79.245,106.66 h1.52
  text "PROG" at 89.75,88.225 h1.2
  text "JTAG" at 24.048,43.006 h1.2
  text "OFF" at 2.407,41.835 h1.52
  text "ON" at 3.271,38.269 h1.52
  text "Vin 9-30 VDC" at 81.808,10.7 h1
Mechanical 1:
  lines w0.254: 11.87,117.325 59.87,117.325 59.87,102.445 44.87,102.445 ; 11.87,117.445 11.87,102.445 26.87,102.445

## Dimensions
80.025,104.648 to 83.025,104.426 on Mechanical 15
0,109 to 0,0 on Mechanical 15
0,0 to 94.964,0 on Mechanical 15

## Text inside footprints (layer, text, board x,y; h text height)
LED1: Top Overlay "A" at 38.277,35.335 h0.8 r270; Top Overlay "K" at 38.277,31.435 h0.8 r270